# Altium PCB VCTS_mainboard.PcbDoc (part 1 of 4) (continued)
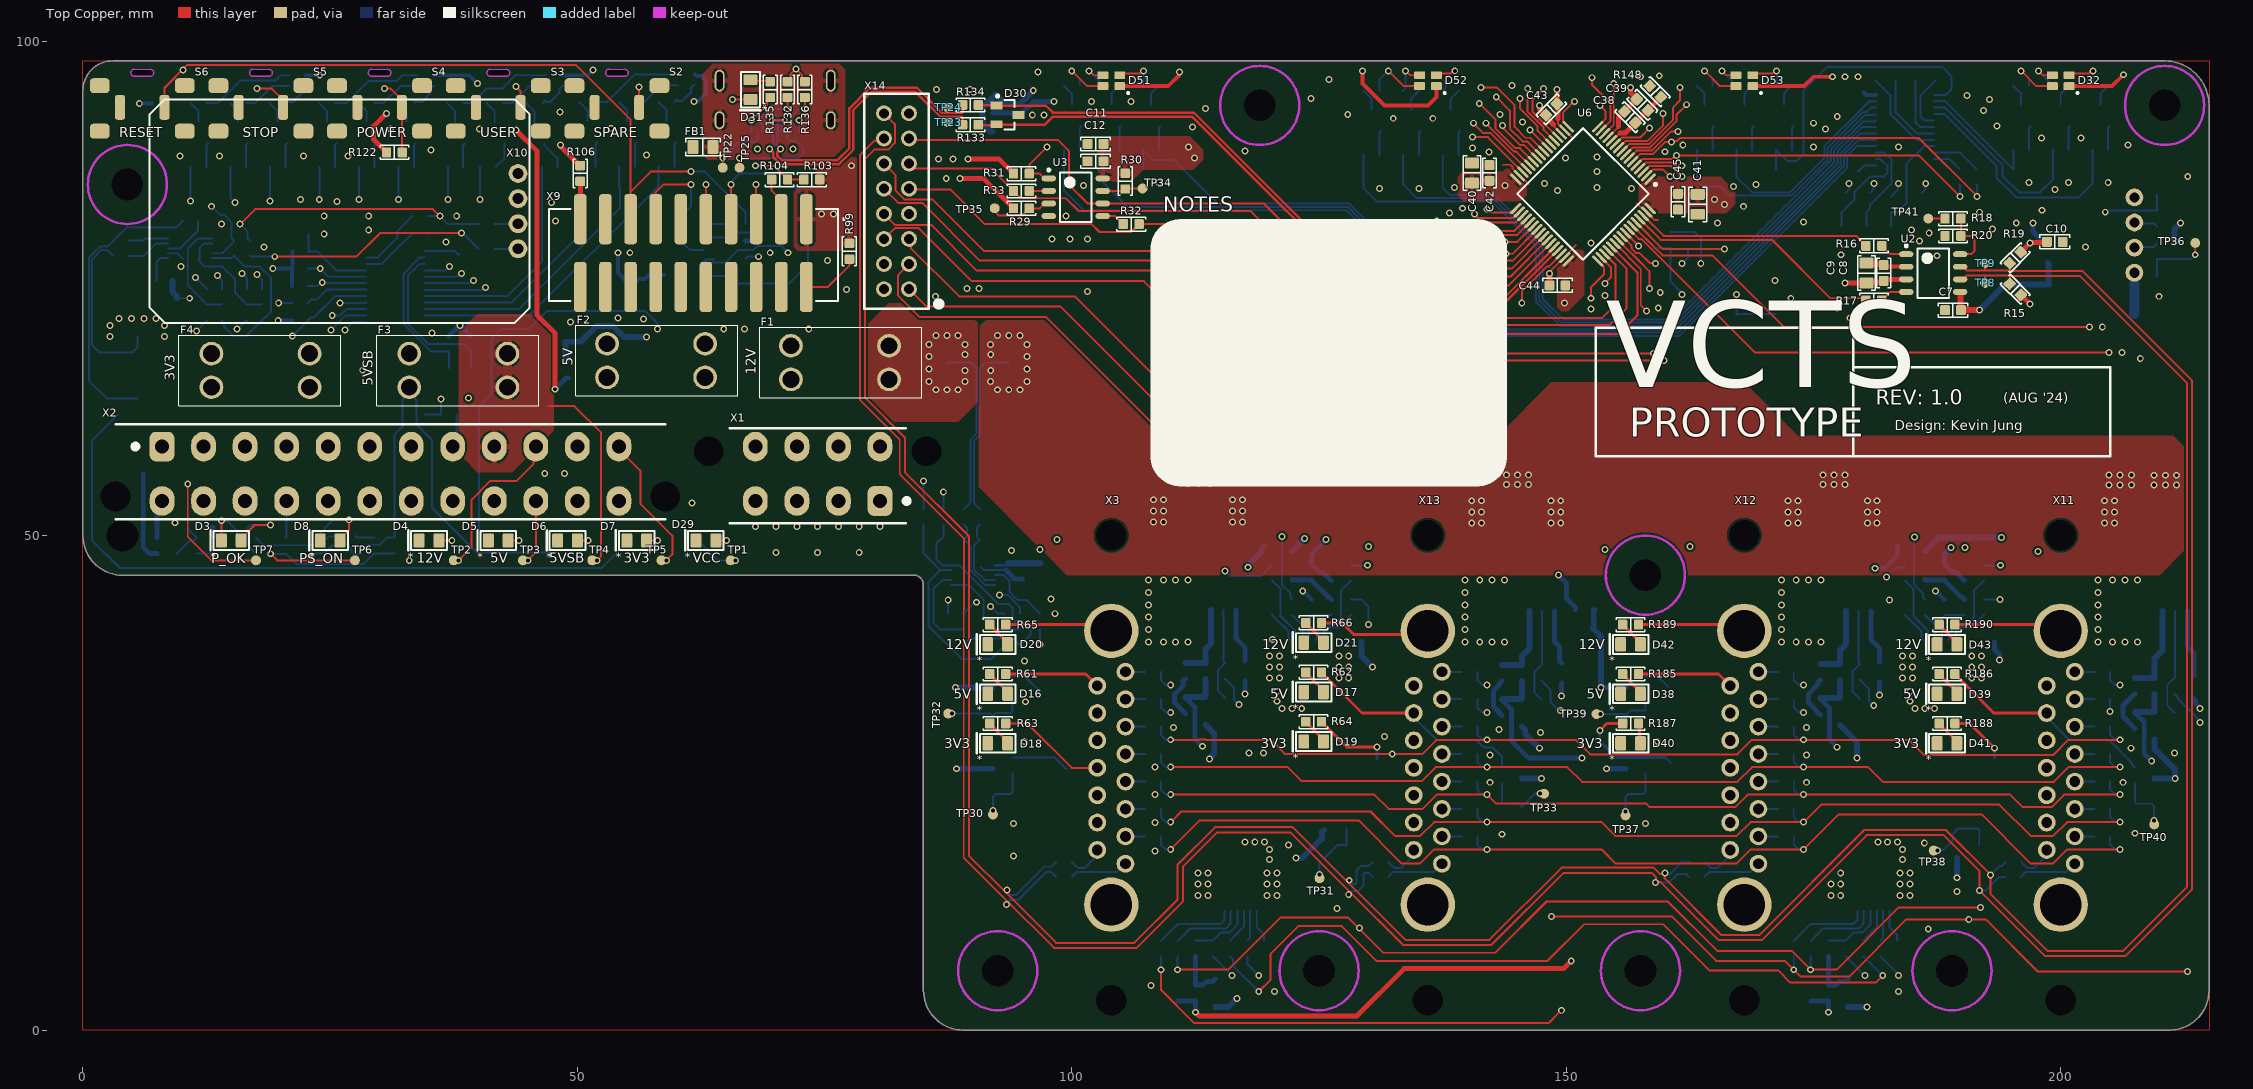
[diagram p0: Top Copper view]
## Design rules (kind name [scope] priority, off if disabled: settings)
BoardOutlineClearance [All] p1: gap=0.3 ignorepadtopadclearanceinfootprint=FALSE except(0.4: Arc-SplitBarrior Arc-SplitContinuation Track-SplitBarrior Track-SplitContinuation SMDPad-SplitBarrior SMDPad-SplitContinuation THPad-SplitBarrior THPad-SplitContinuation Via-SplitBarrior Via-SplitContinuation Fill-SplitBarrior Fill-SplitContinuation Poly-SplitBarrior Poly-SplitContinuation Region-SplitBarrior Region-SplitContinuation Text-SplitBarrior Text-SplitContinuation)
Clearance "Clearance Different Nets" [All] p1: gap=0.2 ignorepadtopadclearanceinfootprint=FALSE except(0.127: SMDPad-Via THPad-Via Via-Via; 0.13: Arc-Arc Arc-Track Arc-SMDPad Track-Track Track-SMDPad SMDPad-SMDPad; 0.254: Arc-Via Arc-Text Track-Via Track-Text SMDPad-Text THPad-Text Via-Text Fill-Text Poly-Text Region-Text Text-Text; 0.5: THPad-THPad Via-Hole)
Clearance "Clearance Same Nets" [All] p2: gap=0.2 ignorepadtopadclearanceinfootprint=FALSE except(0.127: SMDPad-Via THPad-Via; 0.13: Arc-Arc Arc-Track Arc-SMDPad Track-Track Track-SMDPad SMDPad-SMDPad; 0.254: Arc-Via Arc-Text Track-Via Track-Text SMDPad-Text THPad-Text Via-Via Via-Text Fill-Text Poly-Text Region-Text Text-Text)
Clearance "Clearance Bottom Layer" [OnLayer('Bottom Layer')] p3: gap=0.203 ignorepadtopadclearanceinfootprint=TRUE except(0.254: Arc-Text Track-Text SMDPad-Text THPad-Text Via-Text Fill-Text Poly-Text Region-Text Text-Text)
Clearance "Clearance Top Layer" [OnLayer('Top Layer')] p4: gap=0.203 ignorepadtopadclearanceinfootprint=TRUE except(0.254: Arc-Text Track-Text SMDPad-Text THPad-Text Via-Text Fill-Text Poly-Text Region-Text Text-Text)
DiffPairsRouting USB_90Ohm [InDifferentialPair('USBCONN_D') or InDifferentialPair('USB_D')] p1: maxlimit=0.254 minlimit=0.15 mostfreqgap=0.15 toplayer_minwidth=0.25 toplayer_maxwidth=0.25 toplayer_prefwidth=0.25 midlayer1_minwidth=0.25 midlayer1_maxwidth=0.25 midlayer1_prefwidth=0.25 midlayer2_minwidth=0.25 midlayer2_maxwidth=0.25 midlayer2_prefwidth=0.25 midlayer3_minwidth=0.25 midlayer3_maxwidth=0.25 midlayer3_prefwidth=0.25 midlayer4_minwidth=0.25 midlayer4_maxwidth=0.25 midlayer4_prefwidth=0.25 bottomlayer_minwidth=0.25 bottomlayer_maxwidth=0.25 bottomlayer_prefwidth=0.25 maxuncoupledlength=12.7
DiffPairsRouting USB_90Ohm_1 [InDifferentialPair('CAN')] p2: maxlimit=2 minlimit=0.325 mostfreqgap=0.325 toplayer_minwidth=0.2 toplayer_maxwidth=0.2 toplayer_prefwidth=0.2 midlayer1_minwidth=0.2 midlayer1_maxwidth=0.2 midlayer1_prefwidth=0.2 midlayer2_minwidth=0.2 midlayer2_maxwidth=0.2 midlayer2_prefwidth=0.2 midlayer3_minwidth=0.2 midlayer3_maxwidth=0.2 midlayer3_prefwidth=0.2 midlayer4_minwidth=0.2 midlayer4_maxwidth=0.2 midlayer4_prefwidth=0.2 bottomlayer_minwidth=0.2 bottomlayer_maxwidth=0.2 bottomlayer_prefwidth=0.2 maxuncoupledlength=12.7
DiffPairsRouting [All] p3: maxlimit=0.254 minlimit=0.254 mostfreqgap=0.254 toplayer_minwidth=0.381 toplayer_maxwidth=0.381 toplayer_prefwidth=0.381 midlayer1_minwidth=0.381 midlayer1_maxwidth=0.381 midlayer1_prefwidth=0.381 midlayer2_minwidth=0.381 midlayer2_maxwidth=0.381 midlayer2_prefwidth=0.381 midlayer3_minwidth=0.381 midlayer3_maxwidth=0.381 midlayer3_prefwidth=0.381 midlayer4_minwidth=0.381 midlayer4_maxwidth=0.381 midlayer4_prefwidth=0.381 bottomlayer_minwidth=0.381 bottomlayer_maxwidth=0.381 bottomlayer_prefwidth=0.381 maxuncoupledlength=12.7
HoleSize [All] p1: absolutevalues=TRUE maxlimit=6.3 minlimit=0.2 maxpercent=80.000 minpercent=20.000
MinimumAnnularRing [All] p1: minimumring=0.13
MinimumSolderMaskSliver [All] p1: minsoldermaskwidth=0.1
PolygonConnect PolygonConnect_1 [All] p1: thpad.connectstyle=Relief thpad.reliefconductorwidth=0.508 thpad.reliefentries=4 thpad.polygonreliefangle="90 Angle" thpad.airgapwidth=0.254 smdpad.connectstyle=Relief smdpad.reliefconductorwidth=0.508 smdpad.reliefentries=4 smdpad.polygonreliefangle="90 Angle" smdpad.airgapwidth=0.254 via.connectstyle=Direct via.reliefconductorwidth=0.508 via.reliefentries=4 via.polygonreliefangle="90 Angle" via.airgapwidth=0.254
RoutingCorners [All] p1: cornerstyle=Round minsetback=2.54 maxsetback=2.54
RoutingVias [All] p1: holewidth=0.5 width=1 viastyle="Through Hole" minholewidth=0.2 minwidth=0.35 maxholewidth=1 maxwidth=2
SilkToSilkClearance [All] p1: silktosilkclearance=0.1
SilkToSolderMaskClearance [IsPad] p1: minsilkscreentomaskgap=0.1 clearancetoexposedcopper=TRUE
SolderMaskExpansion [All] p1: expansion=0.102 istentingtop=FALSE
Width [All] p1: maxlimit=10 minlimit=0.089 preferedwidth=0.381
24 further rules are at their usual default settings.

## Classes and differential pairs
component class VCTS_Mainboard: R148 TP30 TP31 TP32 TP33 TP34 TP35 TP36 TP37 TP38 TP39 TP40 TP41
component class U_DEBUG_CONN: X14
channel class Low_Current_Sense: U_Low_Current_Sense1 U_Low_Current_Sense2
channel class Card_Interface: U_Card_Interface1 U_Card_Interface2 U_Card_Interface3 U_Card_Interface4
component class U_Low_Current_Sense2: C32 C33 C34 R87 R88 R89 R90 R91 R92 R93 R94 R95 R96 R97 R98 R288 R289 U5
component class U_Low_Current_Sense1: C70 C71 C72 R211 R212 R213 R214 R215 R216 R217 R218 R219 R220 R221 R222 R290 R291 U13
component class U_Card_Interface4: R21 R22 R23 R24 R25 R26 R27 R28 R292 X3
component class U_Card_Interface3: R165 R166 R167 R168 R169 R170 R171 R172 R295 X13
component class U_Card_Interface2: R157 R158 R159 R160 R161 R162 R163 R164 R294 X12
component class U_Card_Interface1: R149 R150 R151 R152 R153 R154 R155 R156 R293 X11
component class U_3V3_LDO: C1 C2 C3 C4 C5 C6 TP1 U1
channel class Interface_Load_Switching: U_Interface_Load_Switching1 U_Interface_Load_Switching2
component class U_RTC: R146 R147 X10
component class U_Interface_Load_Switching2: B1 B2 B3 B4 C16 C17 C18 C19 C20 C21 C22 C23 C24 C25 C26 C27 C28 C29 C30 C31 D11 D12 D13 D14 D15 D16 D17 D18 D19 D20 D21 D22 D23 D24 D25 D26 D27 D28 R49 R50 R51 R52 R53 R54 R55 R56 R57 R58 R59 R60 R61 R62 R63 R64 R65 R66 R67 R68 R69 R70 R71 R72 R73 R74 R75 R76 R77 R78 R79 R80 R81 R82 R83 R84 R85 R86
component class U_Interface_Load_Switching1: B5 B6 B7 B8 C54 C55 C56 C57 C58 C59 C60 C61 C62 C63 C64 C65 C66 C67 C68 C69 D33 D34 D35 D36 D37 D38 D39 D40 D41 D42 D43 D44 D45 D46 D47 D48 D49 D50 R173 R174 R175 R176 R177 R178 R179 R180 R181 R182 R183 R184 R185 R186 R187 R188 R189 R190 R191 R192 R193 R194 R195 R196 R197 R198 R199 R200 R201 R202 R203 R204 R205 R206 R207 R208 R209 R210
component class U_FAN_Conn: D9 D10 F5 R34 R35 R36 X4 X5 X6 X7
component class U_EEPROM: C11 C12 R29 R30 R31 R32 R33 U3
channel class RGB_LED: U_RGB_LED1 U_RGB_LED2 U_RGB_LED3 U_RGB_LED4 U_RGB_LED5 U_RGB_LED6 U_RGB_LED7 U_RGB_LED8
component class U_Temp_sense: C50 C51 C52 C53 U9 U10 U11 U12
component class U_RGB_LED8: D32 Q3 Q4 Q5 R137 R138 R139 R140 R141 R142 R143 R144 R145
component class U_RGB_LED4: D53 Q12 Q13 Q14 R241 R242 R243 R244 R245 R246 R247 R248 R249
component class U_RGB_LED3: D52 Q9 Q10 Q11 R232 R233 R234 R235 R236 R237 R238 R239 R240
component class U_RGB_LED2: D51 Q6 Q7 Q8 R223 R224 R225 R226 R227 R228 R229 R230 R231
component class U_RGB_LED7: D54 Q15 Q16 Q17 R250 R251 R252 R253 R254 R255 R256 R257 R258
component class U_RGB_LED6: D55 Q18 Q19 Q20 R259 R260 R261 R262 R263 R264 R265 R266 R267
component class U_RGB_LED5: D56 Q21 Q22 Q23 R268 R269 R270 R271 R272 R273 R274 R275 R276
component class U_RGB_LED1: D57 Q24 Q25 Q26 R277 R278 R279 R280 R281 R282 R283 R284 R285
component class U_CAN: C7 C8 C9 C10 R15 R16 R17 R18 R19 R20 TP8 TP9 U2
component class U_High_Current_Sense: C13 C14 C15 R37 R38 R39 R40 R41 R42 R43 R44 R45 R46 R47 R48 R286 R287 U4
component class U_MCU: C35 C36 C37 C38 C39 C40 C41 C42 C43 C44 C45 R99 R100 R101 R102 R103 R104 R105 R106 R107 R108 R296 S1 U6 X8 X9
component class U_Panel_Interface: C46 C47 C48 C49 D29 D30 D31 FB1 J1 R109 R110 R111 R112 R113 R114 R115 R116 R117 R118 R119 R120 R121 R122 R123 R124 R125 R126 R127 R128 R129 R130 R131 R132 R133 R134 R135 R136 S2 S3 S4 S5 S6 TP16 TP17 TP18 TP19 TP20 TP21 TP22 TP23 TP24 TP25 U7 U8
component class U_ATX_Interface: D2 D3 D4 D5 D6 D7 D8 F1 F2 F3 F4 Q1 Q2 R2 R3 R4 R5 R6 R7 R8 R9 R10 R11 R12 R13 R14 TP2 TP3 TP4 TP5 TP6 TP7 X1 X2
differential pair USBCONN_D: +USBCONN_D_P -USBCONN_D_N
differential pair USB_D: +USB_D_P -USB_D_N
differential pair CAN: +CAN_P -CAN_N

## Components (designator, comment, footprint, x,y, rotation, side; value= is the part's Value field where it differs from the comment)
B1 "BTS7008-2EPZ" SOP65P600X115-15N 124,36.75 r270 bottom
B2 "BTS7008-2EPZ" SOP65P600X115-15N 116.75,14.75 r90 bottom
B3 "BTS50010-1TAD" TO-263-7 112.81,48.6 r90 bottom
B4 "BTS50010-1TAD" TO-263-7 145,48.5 r90 bottom
B5 "BTS7008-2EPZ" SOP65P600X115-15N 188,36.712 r270 bottom (schematic designator B1)
B6 "BTS7008-2EPZ" SOP65P600X115-15N 180.75,14.75 r90 bottom (schematic designator B2)
B7 "BTS50010-1TAD" TO-263-7 177,48.5 r90 bottom (schematic designator B3)
B8 "BTS50010-1TAD" TO-263-7 209,48.5 r90 bottom (schematic designator B4)
C1 "Capacitor" 0805_CAP 88.85,77.25 r0 bottom value=10u (schematic designator C48)
C2 "Capacitor" 0603_CAP 93.15,77.25 r180 bottom value=1u (schematic designator C49)
C3 "Capacitor" 0805_CAP 93.35,75.5 r180 bottom value=0.1u (schematic designator C50)
C4 "Capacitor" 0805_CAP 89,90.75 r270 bottom value=10u (schematic designator C51)
C5 "Capacitor" 0805_CAP 87,90.75 r270 bottom value=1u (schematic designator C52)
C6 "Capacitor" 0805_CAP 88,81.5 r90 bottom value=0.1u (schematic designator C53)
C7 "Capacitor" 0603_CAP 189.1,72.8 r0 top value=0.1u (schematic designator C20)
C8 "Capacitor" 0603_CAP 182.1,76.55 r270 top value=0.1u (schematic designator C21)
C9 "Capacitor" 0805_CAP 180.35,76.55 r270 top value=22u (schematic designator C22)
C10 "Capacitor" 0603_CAP 199.4,79.7 r0 top (schematic designator C23)
C11 "Capacitor" 0603_CAP 102.4,89.6 r0 top value=1u (schematic designator C24)
C12 "Capacitor" 0603_CAP 102.4,87.85 r0 top value=0.1u (schematic designator C25)
C13 "Capacitor" 0603_CAP 95,46.4 r90 bottom value=0.1u (schematic designator C26)
C14 "Capacitor" 0805_CAP 96.8,46.2 r90 bottom value=10u (schematic designator C27)
C15 "Capacitor" 0603_CAP 89.9,49.6 r180 bottom value=0.1u (schematic designator C28)
C16 "Capacitor" 0603_CAP 119.1,31.7 r270 bottom value=10n (schematic designator C32)
C17 "Capacitor" 0603_CAP 126.25,46.25 r270 bottom value=220p (schematic designator C33)
C18 "Capacitor" 0603_CAP 122.75,31 r0 bottom value=10n (schematic designator C34)
C19 "Capacitor" 0603_CAP 128.5,39.25 r180 bottom value=0.1u (schematic designator C35)
C20 "Capacitor" 0603_CAP 120.5,20.4 r0 bottom value=10n (schematic designator C36)
C21 "Capacitor" 0603_CAP 110.75,3.75 r270 bottom value=220p (schematic designator C37)
C22 "Capacitor" 0603_CAP 123.25,21.25 r90 bottom value=10n (schematic designator C38)
C23 "Capacitor" 0603_CAP 122.5,13.25 r90 bottom value=0.1u (schematic designator C39)
C24 "Capacitor" 0603_CAP 100,48.1 r270 bottom value=10n (schematic designator C40)
C25 "Capacitor" 0603_CAP 132,48.1 r270 bottom value=10n (schematic designator C41)
C26 "Capacitor" 0603_CAP 119.4,49.7 r90 bottom value=100n (schematic designator C42)
C27 "Capacitor" 0603_CAP 152.3,49.5 r90 bottom value=100n (schematic designator C43)
C28 "Capacitor" 0603_CAP 111.5,32.8 r90 bottom value=10n (schematic designator C44)
C29 "Capacitor" 0603_CAP 143.5,32.6 r90 bottom value=10n (schematic designator C45)
C30 "Capacitor" 0603_CAP 115.5,32.8 r90 bottom value=150n (schematic designator C46)
C31 "Capacitor" 0603_CAP 147.5,32.6 r90 bottom value=150n (schematic designator C47)
C32 "Capacitor" 0603_CAP 117.45,76.7 r180 bottom value=0.1u (schematic designator C29)
C33 "Capacitor" 0805_CAP 117.7,74.9 r180 bottom value=10u (schematic designator C30)
C34 "Capacitor" 0603_CAP 113.5,76.631 r180 bottom value=0.1u (schematic designator C31)
C35 "Capacitor" 0603_CAP 56,76.5 r270 bottom value=0.1uF (schematic designator C1)
C36 "Capacitor" 0603_CAP 75.3,80.1 r90 bottom value=0.1uF (schematic designator C2)
C37 "Capacitor" 0603_CAP 162.309,79.891 r90 bottom value=0.1u (schematic designator C3)
C38 "Capacitor" 0603_CAP 156.439,92.311 r135 top value=1u (schematic designator C4)
C39 "Capacitor" 0603_CAP 157.689,93.561 r135 top value=10n (schematic designator C5)
C40 "Capacitor" 0805_CAP 140.464,86.671 r270 top value=4.7u (schematic designator C6)
C41 "Capacitor" 0805_CAP 163.3,83.5 r90 top value=4.7u (schematic designator C7)
C42 "Capacitor" 0603_CAP 142.231,86.671 r270 top value=100n (schematic designator C8)
C43 "Capacitor" 0603_CAP 148.5,93.1 r225 top value=100n (schematic designator C9)
C44 "Capacitor" 0603_CAP 149.1,75.3 r0 top value=100n (schematic designator C10)
C45 "Capacitor" 0603_CAP 161.289,83.761 r90 top value=100n (schematic designator C11)
C46 "Capacitor" 0603_CAP 187.3,83.5 r90 bottom value=1u (schematic designator C16)
C47 "Capacitor" 0603_CAP 185.6,83.5 r90 bottom value=0.1u (schematic designator C17)
C48 "Capacitor" 0603_CAP 26.6,82.3 r0 bottom value=1u (schematic designator C18)
C49 "Capacitor" 0603_CAP 26.6,80.5 r0 bottom value=0.1u (schematic designator C19)
C50 "Capacitor" 0603_CAP 93.1,94.6 r180 bottom value=0.1u (schematic designator C12)
C51 "Capacitor" 0603_CAP 151.9,40.6 r0 bottom value=0.1u (schematic designator C13)
C52 "Capacitor" 0603_CAP 48,69.6 r0 bottom value=0.1u (schematic designator C14)
C53 "Capacitor" 0603_CAP 199.6,75.4 r180 bottom value=0.1u (schematic designator C15)
C54 "Capacitor" 0603_CAP 183.2,31.6 r270 bottom value=10n (schematic designator C32)
C55 "Capacitor" 0603_CAP 190.25,46.25 r270 bottom value=220p (schematic designator C33)
C56 "Capacitor" 0603_CAP 186.75,31 r0 bottom value=10n (schematic designator C34)
C57 "Capacitor" 0603_CAP 192.5,39.25 r180 bottom value=0.1u (schematic designator C35)
C58 "Capacitor" 0603_CAP 184.3,20.4 r0 bottom value=10n (schematic designator C36)
C59 "Capacitor" 0603_CAP 174.75,3.75 r270 bottom value=220p (schematic designator C37)
C60 "Capacitor" 0603_CAP 187.25,21.2 r90 bottom value=10n (schematic designator C38)
C61 "Capacitor" 0603_CAP 186.5,13.25 r90 bottom value=0.1u (schematic designator C39)
C62 "Capacitor" 0603_CAP 164,48.1 r270 bottom value=10n (schematic designator C40)
C63 "Capacitor" 0603_CAP 196,48.1 r270 bottom value=10n (schematic designator C41)
C64 "Capacitor" 0603_CAP 183.5,49.75 r90 bottom value=100n (schematic designator C42)
C65 "Capacitor" 0603_CAP 209.2,65.7 r270 bottom value=100n (schematic designator C43)
C66 "Capacitor" 0603_CAP 175.69,32.7 r90 bottom value=10n (schematic designator C44)
C67 "Capacitor" 0603_CAP 207.5,31.3 r90 bottom value=10n (schematic designator C45)
C68 "Capacitor" 0603_CAP 179.69,32.7 r90 bottom value=150n (schematic designator C46)
C69 "Capacitor" 0603_CAP 211.5,31.3 r90 bottom value=150n (schematic designator C47)
C70 "Capacitor" 0603_CAP 8.25,75.75 r180 bottom value=0.1u (schematic designator C29)
C71 "Capacitor" 0805_CAP 8.5,74 r180 bottom value=10u (schematic designator C30)
C72 "Capacitor" 0603_CAP 6.1,79.05 r90 bottom value=0.1u (schematic designator C31)
D2 "SZMMSZ5227BT1G" SOD-123 33,62.25 r180 bottom (schematic designator D1)
D3 "0805_LED" 0805_LED 15,49.5 r180 top (schematic designator D2)
D4 "0805_LED" 0805_LED 35,49.5 r180 top (schematic designator D3)
D5 "0805_LED" 0805_LED 42,49.5 r180 top (schematic designator D4)
D6 "0805_LED" 0805_LED 49,49.5 r180 top (schematic designator D5)
D7 "0805_LED" 0805_LED 56,49.5 r180 top (schematic designator D6)
D8 "0805_LED" 0805_LED 25,49.5 r180 top (schematic designator D7)
D9 "SZMMSZ5227BT1G" SOD-123 211.25,76.25 r0 bottom (schematic designator D11)
D10 "SZMMSZ5227BT1G" SOD-123 211.25,84.5 r0 bottom (schematic designator D12)
D11 "RBR2MM30BTFTR" SOD-123F 92,33.2 r270 bottom (schematic designator D13)
D12 "1N5819" SOD-123F 97,30.675 r270 bottom (schematic designator D14)
D13 "RBR2MM30BTFTR" SOD-123F 122.25,47 r270 bottom (schematic designator D15)
D14 "1N5819" SOD-123F 123,29 r180 bottom (schematic designator D16)
D15 "RBR2MM30BTFTR" SOD-123F 145.5,24 r270 bottom (schematic designator D17)
D16 "0805_LED" 0805_LED 92.5,34 r180 top (schematic designator D18)
D17 "0805_LED" 0805_LED 124.45,34.175 r180 top (schematic designator D19)
D18 "0805_LED" 0805_LED 92.5,29 r180 top (schematic designator D20)
D19 "0805_LED" 0805_LED 124.45,29.175 r180 top (schematic designator D21)
D20 "0805_LED" 0805_LED 92.5,39 r180 top (schematic designator D22)
D21 "0805_LED" 0805_LED 124.45,39.175 r180 top (schematic designator D23)
D22 "RBR2MM30BTFTR" SOD-123F 92,25 r270 bottom (schematic designator D24)
D23 "1N5819" SOD-123F 99.5,27.825 r90 bottom (schematic designator D25)
D24 "RBR2MM30BTFTR" SOD-123F 114.5,3.75 r90 bottom (schematic designator D26)
D25 "1N5819" SOD-123F 131.5,20.75 r270 bottom (schematic designator D27)
D26 "RBR2MM30BTFTR" SOD-123F 125.508,18.825 r270 bottom (schematic designator D28)
D27 "RBR2MM30BTFTR" SOD-123F 113.5,32.3 r90 bottom (schematic designator D29)
D28 "RBR2MM30BTFTR" SOD-123F 145.5,32.1 r90 bottom (schematic designator D30)
D29 "0805_LED" 0805_LED 63,49.5 r180 top (schematic designator D8)
D30 "AZ23C5V6-E3-18" SOT23-3 93.5,92.55 r0 top (schematic designator D9)
D31 "0805_LED" 0805_LED 67.5,95.1 r270 top (schematic designator D10)
D32 "CLMVC-FKA-CL1D1L71BB7C3C3" "4PLCC CreeLED" 200,96 r180 top locked (schematic designator D31)
D33 "RBR2MM30BTFTR" SOD-123F 156.002,33.243 r270 bottom (schematic designator D13)
D34 "1N5819" SOD-123F 161,30.675 r270 bottom (schematic designator D14)
D35 "RBR2MM30BTFTR" SOD-123F 186.25,47 r270 bottom (schematic designator D15)
D36 "1N5819" SOD-123F 187,29 r180 bottom (schematic designator D16)
D37 "RBR2MM30BTFTR" SOD-123F 209.5,24 r270 bottom (schematic designator D17)
D38 "0805_LED" 0805_LED 156.5,34 r180 top (schematic designator D18)
D39 "0805_LED" 0805_LED 188.5,34 r180 top (schematic designator D19)
D40 "0805_LED" 0805_LED 156.5,29 r180 top (schematic designator D20)
D41 "0805_LED" 0805_LED 188.5,29 r180 top (schematic designator D21)
D42 "0805_LED" 0805_LED 156.5,39 r180 top (schematic designator D22)
D43 "0805_LED" 0805_LED 188.5,39 r180 top (schematic designator D23)
D44 "RBR2MM30BTFTR" SOD-123F 156,25 r270 bottom (schematic designator D24)
D45 "1N5819" SOD-123F 163.5,27.825 r90 bottom (schematic designator D25)
D46 "RBR2MM30BTFTR" SOD-123F 178.5,3.75 r90 bottom (schematic designator D26)
D47 "1N5819" SOD-123F 195.5,20.75 r270 bottom (schematic designator D27)
D48 "RBR2MM30BTFTR" SOD-123F 189.508,18.825 r90 bottom (schematic designator D28)
D49 "RBR2MM30BTFTR" SOD-123F 177.69,32.2 r90 bottom (schematic designator D29)
D50 "RBR2MM30BTFTR" SOD-123F 209.5,30.8 r90 bottom (schematic designator D30)
D51 "CLMVC-FKA-CL1D1L71BB7C3C3" "4PLCC CreeLED" 104.001,96 r180 top locked (schematic designator D31)
D52 "CLMVC-FKA-CL1D1L71BB7C3C3" "4PLCC CreeLED" 136.007,96 r180 top locked (schematic designator D31)
D53 "CLMVC-FKA-CL1D1L71BB7C3C3" "4PLCC CreeLED" 168,96 r180 top locked (schematic designator D31)
D54 "CLMVC-FKA-CL1D1L71BB7C3C3" "4PLCC CreeLED" 34.7,96 r180 bottom (schematic designator D31)
D55 "CLMVC-FKA-CL1D1L71BB7C3C3" "4PLCC CreeLED" 61.019,96.089 r180 bottom (schematic designator D31)
D56 "CLMVC-FKA-CL1D1L71BB7C3C3" "4PLCC CreeLED" 47.7,96 r180 bottom (schematic designator D31)
D57 "CLMVC-FKA-CL1D1L71BB7C3C3" "4PLCC CreeLED" 21.7,96 r180 bottom (schematic designator D31)
F1 "3568 Mini Fuse Holder" 3568MiniFuseHolder 76.555,67.5 r180 top
F2 "3568 Mini Fuse Holder" 3568MiniFuseHolder 57.96,67.7 r180 top
F3 "3568 Mini Fuse Holder" 3568MiniFuseHolder 37.96,66.7 r0 top
F4 "3568 Mini Fuse Holder" 3568MiniFuseHolder 17.96,66.7 r0 top
F5 "0ZCG0260BF2B" 1812_PTC_FUSE 210,72.4 r180 bottom
FB1 "*" 0805_Ferrite 62.7,89.3 r0 top
J1 "USB4500-03-0-A_REVA" GCT_USB4500-03-0-A_REVA 70,96 r0 bottom
Q1 "MOSFET P-CH 30V 2A SOT-23" SOT23-3 26.5,49 r180 bottom
Q2 "DMG2302UK-7" SOT23-3 14.5,49 r0 bottom
Q3 "DMG2302UK-7" SOT23-3 196,92.5 r90 bottom locked
Q4 "DMG2302UK-7" SOT23-3 200,92.5 r90 bottom locked
Q5 "DMG2302UK-7" SOT23-3 204,92.5 r90 bottom locked
Q6 "DMG2302UK-7" SOT23-3 100.001,92.5 r90 bottom locked (schematic designator Q3)
Q7 "DMG2302UK-7" SOT23-3 104.001,92.5 r90 bottom locked (schematic designator Q4)
Q8 "DMG2302UK-7" SOT23-3 108.001,92.5 r90 bottom locked (schematic designator Q5)
Q9 "DMG2302UK-7" SOT23-3 130.307,92 r90 bottom locked (schematic designator Q3)
Q10 "DMG2302UK-7" SOT23-3 134.307,92 r90 bottom locked (schematic designator Q4)
Q11 "DMG2302UK-7" SOT23-3 138.307,92 r90 bottom locked (schematic designator Q5)
Q12 "DMG2302UK-7" SOT23-3 164,92.5 r90 bottom locked (schematic designator Q3)
Q13 "DMG2302UK-7" SOT23-3 168,92.5 r90 bottom locked (schematic designator Q4)
Q14 "DMG2302UK-7" SOT23-3 172,92.5 r90 bottom locked (schematic designator Q5)
Q15 "DMG2302UK-7" SOT23-3 24.7,90.75 r90 bottom (schematic designator Q3)
Q16 "DMG2302UK-7" SOT23-3 28.7,90.75 r90 bottom (schematic designator Q4)
Q17 "DMG2302UK-7" SOT23-3 32.7,90.75 r90 bottom (schematic designator Q5)
Q18 "DMG2302UK-7" SOT23-3 51.019,90.839 r90 bottom (schematic designator Q3)
Q19 "DMG2302UK-7" SOT23-3 55.019,90.839 r90 bottom (schematic designator Q4)
Q20 "DMG2302UK-7" SOT23-3 59.019,90.839 r90 bottom (schematic designator Q5)
Q21 "DMG2302UK-7" SOT23-3 37.7,90.75 r90 bottom (schematic designator Q3)
Q22 "DMG2302UK-7" SOT23-3 41.7,90.75 r90 bottom (schematic designator Q4)
Q23 "DMG2302UK-7" SOT23-3 45.7,90.75 r90 bottom (schematic designator Q5)
Q24 "DMG2302UK-7" SOT23-3 11.7,90.75 r90 bottom (schematic designator Q3)
Q25 "DMG2302UK-7" SOT23-3 15.7,90.75 r90 bottom (schematic designator Q4)
Q26 "DMG2302UK-7" SOT23-3 19.7,90.75 r90 bottom (schematic designator Q5)
R2 "Resistor" 0603_RES 37,62.25 r0 bottom value=100
R3 "Resistor" 0603_RES 20.5,49 r90 bottom value=100
R4 "Resistor" 0603_RES 7.5,49 r90 bottom value=0
R5 "Resistor" 0603_RES 17.5,49 r90 bottom value=560
R6 "Resistor" 0603_RES 31.5,49 r90 bottom value=10k
R7 "Resistor" 0603_RES 35,49.5 r180 bottom value=2.2k
R8 "Resistor" 0603_RES 42,49.5 r180 bottom value=560
R9 "Resistor" 0603_RES 49,49.5 r180 bottom value=560
R10 "Resistor" 0603_RES 56,49.5 r180 bottom value=220
R11 "Resistor" 0603_RES 29.5,49 r270 bottom value=100
R12 "Resistor" 0603_RES 23.5,49 r270 bottom value=560
R13 "Resistor" 0603_RES 11.5,49 r90 bottom value=100
R14 "Resistor" 0603_RES 9.5,49 r90 bottom value=10k
R15 "Resistor" 0603_RES 195.4,74.9 r135 top value=60 (schematic designator R58)
R16 "Resistor" 0603_RES 181.1,79.3 r0 top value=0 (schematic designator R59)
R17 "Resistor" 0603_RES 181.1,73.8 r0 top value=0 (schematic designator R60)
R18 "Resistor" 0603_RES 189.1,82.05 r0 top value=0 (schematic designator R61)
R19 "Resistor" 0603_RES 195.4,78.1 r45 top value=60 (schematic designator R62)
R20 "Resistor" 0603_RES 189.1,80.3 r180 top value=0 (schematic designator R63)
R21 "Resistor" 0603_RES 108.2,36.223 r180 bottom value=100 (schematic designator R64)
R22 "Resistor" 0603_RES 108.2,33.45 r0 bottom value=100 (schematic designator R65)
R23 "Resistor" 0603_RES 108.2,30.678 r180 bottom value=100 (schematic designator R66)
R24 "Resistor" 0603_RES 108.2,27.905 r180 bottom value=100 (schematic designator R67)
R25 "Resistor" 0603_RES 108.2,22.359 r180 bottom value=100 (schematic designator R68)
R26 "Resistor" 0603_RES 108.2,19.587 r180 bottom value=100 (schematic designator R69)
R27 "Resistor" 0603_RES 99.2,17 r0 bottom value=0 (schematic designator R70)
R28 "Resistor" 0603_RES 99.2,15.5 r0 bottom value=0 (schematic designator R71)
R29 "Resistor" 0603_RES 94.9,83.1 r180 top value=10k (schematic designator R72)
R30 "Resistor" 0603_RES 105.4,85.85 r90 top value=10k (schematic designator R73)
R31 "Resistor" 0603_RES 94.9,86.6 r180 top value=10k (schematic designator R74)
R32 "Resistor" 0603_RES 106,81.5 r0 top value=0 (schematic designator R75)
R33 "Resistor" 0603_RES 94.9,84.85 r180 top value=0 (schematic designator R76)
R34 "Resistor" 0603_RES 211.5,78.75 r90 bottom value=10k (schematic designator R55)
R35 "Resistor" 0603_RES 209.75,78.75 r270 bottom value=100 (schematic designator R56)
R36 "Resistor" 0603_RES 209.75,82.05 r90 bottom value=100 (schematic designator R57)
R37 "Resistor" 0603_RES 89,41.3 r90 bottom value=0 (schematic designator R77)